# Allegro board MCU-OLD.brd (continued)
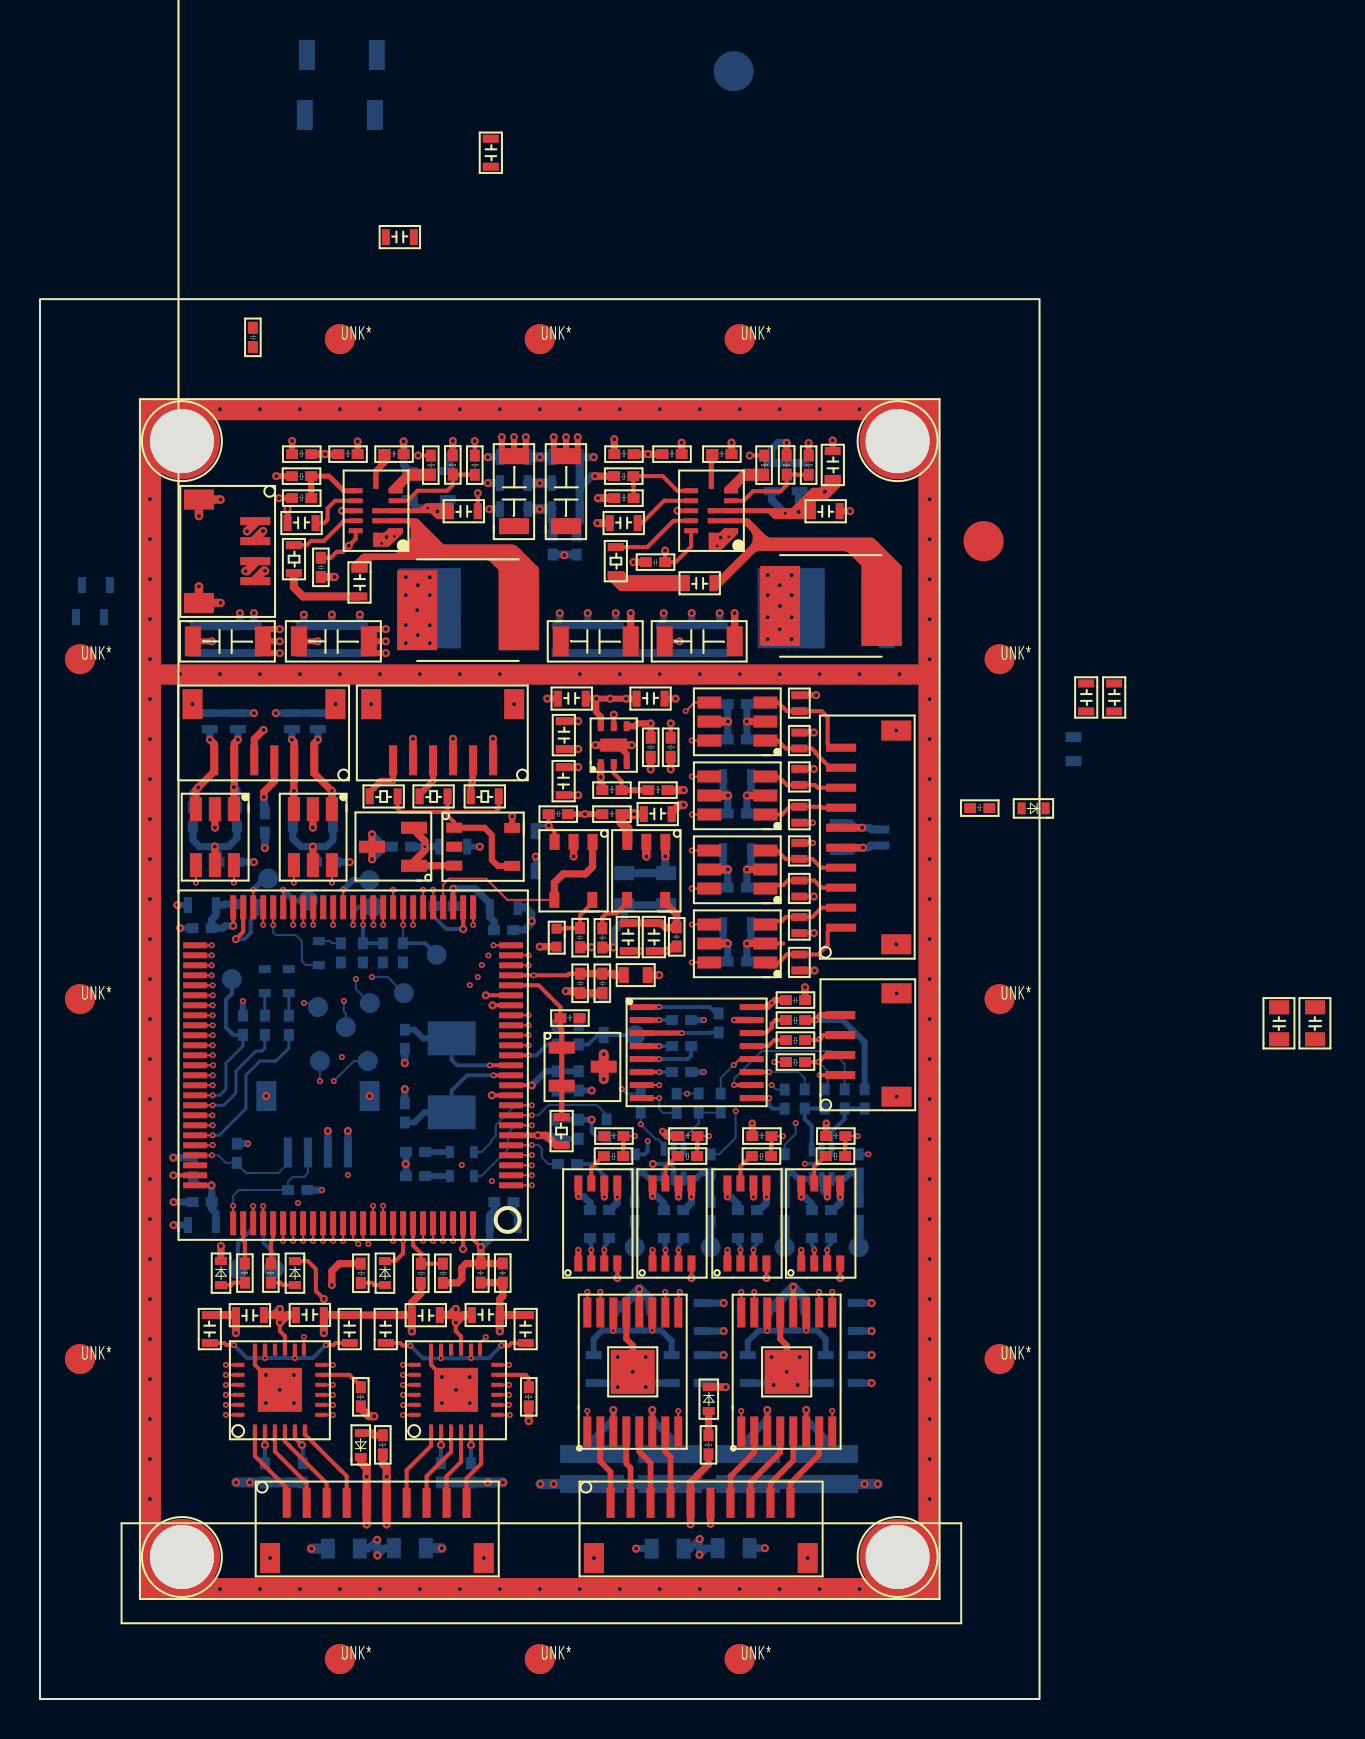
[diagram p0: board, top side]
## Nets (continued)
VMTR: C178.1 C179.1 C180.1 C181.1 C187.1 C188.1 C194.1 C196.1 C642.1 C649.1 J19.5 R327.2 U26.12 U27.12
VREF_2V5: C487.2 R320.2 U19.21 U39.1 U39.2(\REF\)
VSMTR: C174.1 C177.1 C590.1 C592.1 C643.1 C648.1 J18.6 R379.2 U28.15 U48.15
N01539: C166.2 C167.2 U26.11(\VREF\) U26.14
N02684: R170.2 U26.3 U46.4
N02906: R171.2 U26.6 U45.4
N04940: D20.2 R181.2
N07800: R360.1 U45.2
N07815: R360.2 U45.3
N08892: R361.1 U46.2
N08904: R361.2 U46.3
N10404: R339.1 U46.7(\VOUT\)
N11136: R342.1 U45.7(\VOUT\)
N27735: C169.2 C170.2 U27.11(\VREF\) U27.14
N27979: R172.2 U27.3 U44.4
N28117: R173.2 U27.6 U43.4
N28299: R358.1 U43.2
N28303: R358.2 U43.3
N28307: R359.1 U44.2
N28311: R359.2 U44.3
N28637: D21.2 R186.2
N28731: R340.1 U43.7(\VOUT\)
N28759: R341.1 U44.7(\VOUT\)
N30927: R370.1 U48.2
N30933: R373.1 U48.5
N33222: C594.1 C595.1 U48.14(\VREF\) U48.17
N38076: R363.1 U48.11
N39890: D43.2 R374.1
N41862: C185.1 C190.1 U28.14(\VREF\) U28.17
N42130: R178.1 U28.2
N42224: R184.1 U28.5
N42300: R176.1 U28.11
N42416: D19.2 R183.1
N50111: C154.2 D18.1 R154.1 R156.2 U22.3
N52095: C163.1 L20.1 U22.5
N57048: C472.2 R291.2 U37.3 U40.1 U40.2(\REF\)
N57288: R297.1 R298.1 R299.1 U37.1 U37.4
N4905822: C157.2 U21.4
N7119824: C596.1 U47.1
N7119928: C601.1 U47.4
N7119940: C607.1 U47.2
N7119964: C596.2 U47.3
N7119992: C611.1 U47.6
N7120000: C601.2 U47.5
N7120004: R322.2 R324.2 U41.3
N7120715: R322.1 TP53.1(\TP\)
N7120840: R329.1 TP54.1(\TP\)
N7121019: R336.1 TP51.1(\TP\)
N7121024: R330.1 TP52.1(\TP\)
N7132397: R371.1 U47.14
N7132401: R368.1 U47.7
N7132405: R372.1 U47.13
N7132409: R369.1 U47.8
N7132815: R349.2 R350.2 U42.3
N7132819: R334.2 R335.2 U42.1
N7301618: R329.2 R331.2 U42.4
N7301681: R330.2 R332.2 U41.1
N7301693: R336.2 R338.2 U42.6
N7303091: R346.1 U47.11
N7303129: R347.1 U47.10
N7303150: R349.1 U47.12
N7303177: R334.1 U47.9
N7304159: R345.2 R346.2 U41.4
N7304177: R347.2 R348.2 U41.6
N7362382: D41.2 R321.1
N7735309: TP4.1(\TP\) U19.48
N7767499: TP63.1(\TP\) U19.38
N7936310: D15.2 R144.2
N7936621: D14.2 R140.2
N7936920: D17.2 R150.2
N7937230: D16.2 R145.2
N8000304: TP2.1(\TP\) U19.45
N8000357: TP1.1(\TP\) U19.39
N8196940: R58.2 R59.1 U11.4
N8196944: R49.1 R50.2 U11.9
N8196950: C84.2 R57.2 U11.11
N8196956: R57.1 U11.5
N8196998: C69.2 U11.6
N8197004: R86.1 U11.10
N8197008: C88.1 L7.1 U11.2 U11.13
N8197018: C88.2 R86.2
N8197022: C75.2 U11.8
N8197032: R69.2 R75.1 U11.7
N8197074: R87.1 U12.10
N8197078: C89.2 R87.2
N8197098: C89.1 L8.1 U12.2 U12.13
N8197146: R61.2 R62.1 U12.4
N8197148: R51.1 R52.2 U12.9
N8197154: C76.2 U12.8
N8197166: R70.2 R76.1 U12.7
N8197176: C85.2 R60.2 U12.11
N8197182: C70.2 U12.6
N8197194: R60.1 U12.5
N8449814: R317.2 U38.5(\PG\)
N8449940: R315.1 R316.2 U38.2
N8933647: D42.2 R327.1
N8934237: D56.2 R379.1

Pads without a net: U19 41 73; U28 16; U48 16

## Via types
v1: diameter 0.4, hole 0.2, TOP to BOTTOM, 398 vias
v2: diameter 0.3, hole 0.15, TOP to BOTTOM, 233 vias

## Routing (per net, layer and track width the routed paths; a pad name or vN(x,y) marks a point on that pad's centre or on a via; arc(x,y) is an arc through that point)
3V3_MCU: length 78.3
  TOP w0.2: v1(24.6,30.69) U19.11 ; v1(22.05,22.6) 21.66,22.99 U19.100 ; U19.28 v1(20.67,40.52) ; U19.75 v1(8.58,25.69) ; U19.50 v1(9.67,38.66)
  TOP w0.28: U19.6 v1(24.9,28.19)
  TOP w0.3: U37.5 v1(23.62,44.14) ; U47.16 36.4,34.6 v2(36.6,34.8) 36.75,34.95 C591.1
  TOP w0.36: U31.5 v1(8.75,42.63) ; R344.1 20.9,20.81 21.1,21.01 21.1,21.56 21.32,21.78 C479.1 ; U25.5 v1(13.65,42.63) ; J15.3 11.72,45.88 11.2,45.36 v1(11.2,45.11) ; L17.1 v1(30.98,36.2) ; v1(14.6,20.7) 14.6,21.4 14.97,21.77 R374.2 ; v1(24.9,28.19) 25.32,28.19 25.81,27.7 R320.1 ; U21.5 31.27,39.81 31.85,39.23 C162.1 31.83,38.57 31.29,38.57 31.06,38.8 C159.1 C139.1 ; v1(22.05,22.6) C479.1 ; C479.1 C153.1 ; L20.2 v1(25,37.62)
  TOP w0.38: J14.5 v1(41.17,42.57)
  TOP w0.42: U53.5 v1(34.41,41.48) ; U51.5 v1(34.41,48.88) ; U52.5 v1(34.41,37.78) ; U50.5 v1(34.41,45.18)
  BOTTOM w0.2: U42.5 31.7,26.56 31.5,26.76 v1(30.66,26.76) ; U41.5 39.1,26.97 38.9,26.77 v2(38.26,26.77) ; v1(8.58,25.69) 8.02,25.69 7.65,26.06 C573.1
  BOTTOM w0.3: D18.2 v1(24.8,42.13) ; C546.1 20.69,40.12 20.67,40.14 v1(20.67,40.52) ; v1(24.6,30.69) 25.3,31.39 C203.1 C525.1 ; R291.1 v1(22,42.62) ; C532.1 C176.1 25.84,28 25.37,28 25.19,28.19 v1(24.9,28.19) ; R328.2 v2(10.15,34.9)
  BOTTOM w0.36: C460.2 22.73,24.43 22.5,24.2 C189.1 22.5,23 22.1,22.6 v1(22.05,22.6) ; R377.2 12.65,43.02 13.05,42.63 v1(13.65,42.63) ; J20.4 v1(15.4,28.41) ; C647.1 34.17,38.02 v1(34.41,37.78) 34.4,37.77 C603.2 ; C515.2 34.4,48.89 v1(34.41,48.88) 34.4,48.87 C600.2 ; R157.2 v2(14.1,25.45) ; R153.2 v2(10.4,27.77) ; C610.2 34.4,41.47 v1(34.41,41.48) 34.17,41.72 C646.1 ; R189.2 9.85,43.05 9.43,42.63 v1(8.75,42.63) ; C609.2 34.4,45.17 v1(34.41,45.18) 34.17,45.42 C645.1 ; v1(8.75,42.63) 8.75,42.45 8.93,42.27 C606.2 ; v1(8.75,42.63) 7.97,42.63 7.65,42.95 R187.2 ; v1(13.65,42.63) 14.33,42.63 14.65,42.95 R378.2 ; v1(13.65,42.63) 13.65,42.28 13.81,42.12 C553.1 ; v1(8.58,25.69) 8.59,25.68 C136.1 8.59,24.51 8.8,24.3 C137.1 ; v1(9.67,38.66) 9.26,38.66 9.15,38.55 C138.1 8.59,38.97 8.8,39.18 C156.1 9.18,39.7 9.23,39.75 C158.1 ; C168.1 22.71,38.9 22.5,39.11 C161.1 22.5,39.8 21.78,40.52 v1(20.67,40.52) ; R181.1 18.31,26.73 v1(18.29,26.75) 18.31,26.77 R186.1 ; v1(41.17,42.57) 40.77,42.57 40.6,42.4 C644.1
  BOTTOM w0.38: v1(41.17,42.57) 41.44,42.57 41.55,42.68 D24.2
  BOTTOM w0.4: v1(11.2,45.11) 11.2,44.7 11.25,44.65 C539.1
3V3_MCU_A: length 5.7
  TOP w0.2: U19.22 v2(24.7,36.19) 26.39,36.19 26.47,36.27 C141.2
  TOP w0.36: C141.2 C142.2 28.65,36.27 28.72,36.2 L17.2
5V5_MCU_IN: length 6
  TOP w0.3: v1(27.83,50.02) C466.2 ; v1(27.83,50.02) v1(28.52,50.02) v1(29.32,50.02) C130.1 ; v1(27.83,50.02) 27.83,49.35 28.05,49.12 U38.6
  TOP w0.32: U38.4 29.75,48.65 29.89,48.78 v1(30.55,48.78) R308.2
5V5_MCU_PWR: length 13.5
  TOP w0.36: C103.2 v1(29.55,54.3) ; C115.2 v1(34.75,54.3)
  TOP w0.4: R75.2 v1(27.91,60.05) ; C75.1 v1(27.88,58.8)
  BOTTOM w0.36: C436.2 v1(32.6,54.3) ; C435.2 v1(34,54.3) ; C423.2 v1(26,54.3) ; C416.2 v1(27.4,54.3) ; C427.2 v1(28.8,54.3) ; C437.2 v1(31.2,54.3)
  BOTTOM w0.4: C435.2 C436.2 C437.2 ; C427.2 C416.2 C423.2
  vias: v1(36.4,56.2) v1(36.4,55.2) v1(36.4,54.1) v1(36.4,53) v1(37,55.7) v1(37.02,54.66) v1(37,53.5) v1(37.6,56.2) v1(37.6,55.2) v1(37.6,54.1) v1(37.6,53)
5V_MCU: length 17
  TOP w0.32: v1(28.05,46.1) 28.05,45.81 28.13,45.73 R315.2
  TOP w0.36: v1(26.93,47.5) 26.73,47.5 26.72,47.5 C503.2 ; v1(30.55,46.49) 30.55,46.6 30.55,46.6 30.55,47.11 ; U44.8 v2(34.39,25.11) ; U46.8 v2(26.93,25.13) ; U45.8 v2(30.64,25.14) ; U43.8 v2(38.08,25.1) ; C488.2 v1(26.93,46.6) ; 31.55,47.11 v1(31.55,46.49) ; U38.1 v1(28.05,46.1)
  TOP w0.42: U21.1 v1(31.28,42.13) ; C155.1 v1(29.72,44.25)
  TOP w0.5: v1(29.72,44.25) C160.1 29.09,43.82 29.38,43.53 U21.3
  BOTTOM w0.36: v2(26.93,25.13) 27.19,25.13 27.51,24.81 C566.1 ; v2(34.39,25.11) 34.55,25.11 34.91,24.75 C570.1 ; C568.1 38.61,24.74 38.25,25.1 v2(38.08,25.1) ; C572.1 31.21,24.78 30.85,25.14 v2(30.64,25.14)
  BOTTOM w0.42: v1(31.28,42.13) 31.28,41.34 C495.2 C494.2
12V_MTR: length 18.2
  TOP w0.2: 16.45,52.9 C117.2 ; 11.15,52.89 C104.2
  TOP w0.3: C104.2 11.15,52.51 11.36,52.3 v1(12,52.3) ; v1(12,53.5) 11.45,53.5 11.15,53.2 11.15,52.89 11.15,52.89 v1(12,52.89) ; C76.1 v1(12.38,59.51) ; v1(17.3,52.89) 16.46,52.89 16.45,52.9 16.45,53.29 16.66,53.5 v1(17.3,53.5) ; R76.2 v1(11.96,60.05) ; C117.2 16.45,52.5 16.65,52.3 v1(17.3,52.3)
  TOP w0.42: J16.3 10.77,56.82 10.35,56.4 v1(10.28,56.4) ; J16.4 10.77,56 11.19,56.42 v1(11.26,56.42)
  BOTTOM w0.38: C413.2 v1(10.7,54.3) ; C116.2 v1(14.6,54.23) ; C442.2 v1(13.2,54.23) ; 10,53.7 v1(10,54.3) ; C441.2 v1(16,54.23)
  BOTTOM w0.5: C441.2 C116.2 C442.2 ; C413.2 C443.2 C422.2
  vias: v1(18.3,56.1) v1(18.3,55.2) v1(18.3,53.7) v1(18.3,52.8) v1(18.9,55.7) v1(18.87,54.45) v1(18.9,53.2) v1(19.5,56.1) v1(19.5,55.2) v1(19.5,53.7) v1(19.5,52.8)
GND: length 230.4
  TOP w0.2: U28.18 19.56,16.71 v1(20.81,15.46) ; U19.10 v1(22.6,30.19) ; U52.2 37.18,37.78 ; U19.20 v1(22.3,35.19) ; v1(14.2,20) 13.8,20.4 13.8,21.5 13.4,21.9 D16.1 ; D52.1 v1(38.71,40.13) ; U19.74 v1(6.67,26.19) ; U19.19 v1(22.63,34.69) ; v1(38.71,38.3) D50.1 ; U19.49 10.17,38.37 v1(9.8,38) ; U19.27 v1(21.17,38.5) ; v1(12,15.46) 10.75,16.71 U48.18 ; C115.1 v1(31.99,52.89) ; C387.1 v1(21.9,60.3) ; v1(21.16,22.5) U19.99
  TOP w0.3: D48.1 v1(38.83,50.2) ; C130.2 v1(31.8,50.02) ; C160.2 v1(27.26,44.25) C154.1 ; U45.1 v2(30.64,22.46) ; C104.1 v1(8.6,52.89) ; 29.09,47.7 29.1,47.69 29.1,47.49 29.35,47.24 U38.3 ; v1(37.35,16.36) 37.35,17.69 37.03,18.01 U27.13 ; C466.1 v1(25.37,50.02) ; C488.1 v1(26.93,45.2) ; C70.1 v1(18.19,62.89) ; R61.1 v1(20.65,62.91) ; C117.1 v1(13.89,52.89) ; D44.1 v2(38.66,43.82) ; R70.1 v1(11.82,61.15) ; U26.13 29.33,18.01 29.65,17.69 v1(29.65,16.36) ; v1(38.71,48.33) D47.1 ; v1(38.71,46.51) D45.1 ; D53.1 v2(38.66,42.81) ; R52.1 v1(15.89,62.88) ; U44.1 v2(34.39,22.46) ; U43.1 v2(38.08,22.46) ; U46.1 v2(26.93,22.46)
  TOP w0.32: C365.1 v1(39.66,62.94) ; U47.15 v2(34.72,33.95) ; C366.1 v1(40.53,59.4)
  TOP w0.36: C142.1 C141.1 26.79,35.31 26.7,35.4 v1(26.3,35.4) ; C479.2 C153.2 23.15,20.15 23,20 C177.2 ; C157.1 v1(28.68,37.58) ; v1(35.36,37.78) U52.2 ; U51.2 v1(35.36,48.88) ; C84.1 v1(29.68,56.85) ; U43.6 v2(39.38,25.1) ; C162.2 31.63,37.63 31.4,37.4 v2(31.3,37.4) C159.2 ; v1(16.61,43.24) U40.3 v1(16.61,41.99) ; J7.3 v1(20.66,48.02) ; U45.6 v2(31.94,25.1) ; v2(31.14,28.39) 31.38,28.15 C574.2 ; C503.1 v1(26.93,48.9) ; U43.5 v2(40.03,25.1) ; R58.1 v1(37.35,62.82) ; C163.2 v1(27.58,37.59) ; v1(29.61,47.7) U38.7 v1(27.78,47.7) ; U25.2 v1(13.65,43.57) ; U46.6 v2(28.23,25.1) ; J7.5 v1(18.66,48.02) ; C185.2 C594.2 ; U46.5 v2(28.88,25.1) ; J19.6 v1(33.54,8.76) ; R343.1 19.05,20.28 18.6,19.83 C174.2 ; C571.2 v2(35.63,28.8) ; R69.1 v1(27.76,61.15) ; U44.6 v2(35.69,25.1) ; C139.2 v2(30.02,37.4) ; U31.2 v1(8.75,43.57) ; U50.2 v1(35.36,45.18) ; C69.1 v1(34.59,62.83) ; J15.4 10.72,48 v1(11.18,48.46) ; U22.2 v1(26.69,42.13) ; D17.1 v1(9.05,22.65) ; D42.1 v1(34.3,15.6) ; J7.1 v1(22.66,48.02) ; D49.1 v1(38.75,36.43) ; U45.5 v2(32.59,25.11) ; U53.2 v1(35.36,41.48) ; C569.2 v2(39.33,28.8) ; R50.1 v1(32.1,62.83) ; C591.2 v1(38.27,35.59) ; U44.5 v2(36.34,25.1)
  TOP w0.38: J14.6 v1(41.13,43.57)
  TOP w0.4: v1(18.6,18.38) C174.2 C185.2 ; C155.2 31.6,44.32 32,44.72 v1(32.2,44.72) ; C595.2 C590.2 v1(9.8,18.3) ; R176.2 v1(24.45,13.9) ; v1(16.72,14.14) 16.45,14.14 16.05,14.54 R363.2 ; C190.2 C177.2 v1(23,18.38) ; v1(16.34,8.73) J18.5 v1(16.34,11.12) 16.34,11.55 16.05,11.84 D56.1 ; R316.1 v1(32.2,45.45) ; C594.2 C592.2 v1(14.2,18.3) ; C85.1 v1(14.74,56.11)
  TOP w0.42: v1(9.03,59.98) J16.M1 v1(7.95,59.15) ; J16.2 10.77,58.02 v1(11.16,58.41) ; J16.1 10.77,58.81 v1(10.35,58.39) ; U21.2 v1(30.33,42.13) ; v1(9.03,54.81) J16.M2 v1(7.95,55.64)
  TOP w0.5: v1(28.2,32.25) U39.3 v1(28.2,30.99)
  BOTTOM w0.2: v1(21.17,38.5) 20.32,38.5 19.73,39.09 C546.2 ; U42.2 31.7,28.24 31.54,28.4 31.15,28.4 v2(31.14,28.39) ; v2(28.23,25.1) 28.23,26.17 27.65,26.75 R180.2 ; C158.2 10.87,39.27 10.54,38.94 10.54,38.31 10.23,38 v1(9.8,38) ; U41.2 39.1,25.38 v2(39.38,25.1) ; R182.2 27.92,28.03 27.6,28.35 v1(27.6,28.97)
  BOTTOM w0.3: v1(27.6,28.97) C532.2 C176.2 ; C138.2 v1(7,38.55) ; C156.2 v1(6.87,39.7) ; C203.2 C525.2 v1(27.6,30.43)
  BOTTOM w0.32: C607.2 v2(33.2,33.95) ; C611.2 v2(33.2,31.35)
  BOTTOM w0.36: C189.2 23.9,24.2 23.69,24.41 C460.1 ; C568.2 39.67,24.45 40.03,24.81 v2(40.03,25.1) ; C600.1 35.36,48.88 v1(35.36,48.88) 35.36,48.88 C515.1 ; v1(16.61,41.99) 17.24,42.62 ; 17.24,42.62 17.23,42.62 v1(16.61,43.24) ; 17.24,42.62 C472.1 ; v1(41.13,43.57) 40.8,43.57 40.57,43.8 C644.2 ; C513.1 v1(18.25,31.8) ; v1(34.3,15.6) 33.92,15.6 33.72,15.8 C187.2 ; C527.1 v1(18.25,30.5) ; C603.1 35.36,37.78 v1(35.36,37.78) 35.57,37.99 C647.2 ; C610.1 35.36,41.48 v1(35.36,41.48) 35.57,41.69 C646.2 ; C553.2 v1(15.5,41.85) ; C642.2 v1(29.82,7.52) ; C572.2 32.23,24.45 32.59,24.81 v2(32.59,25.11) ; C166.1 30.21,15.8 v1(29.65,16.36) 29.09,15.8 C167.1 ; C188.2 v1(41.6,15.8) ; C170.1 37.91,15.8 v1(37.35,16.36) 36.79,15.8 C169.1 ; D40.1 27.01,35.2 26.81,35.4 v1(26.3,35.4) ; v1(10.7,49.3) D25.1 D22.1 ; D55.1 D54.1 v1(11.79,49.3) ; C181.2 v1(41.6,18.4) ; C573.2 v1(6.67,27.07) ; C606.1 v1(10.7,41.85) ; C649.2 v1(36.26,7.54) ; C566.2 28.52,24.45 28.88,24.81 v2(28.88,25.1) ; J20.3 v1(14.4,28.41) ; C137.2 v1(6.68,23.7) ; C609.1 35.36,45.18 v1(35.36,45.18) 35.57,45.39 C645.2 ; C570.2 35.98,24.45 36.34,24.81 v2(36.34,25.1) ; C136.2 v1(6.68,24.85) ; C178.2 v1(34.2,18.4) ; C168.2 24.24,38.45 24.6,38.81 v1(24.6,38.9) 24.6,39.28 24.28,39.6 C161.2
  BOTTOM w0.38: C386.1 20.4,62.14 20.65,62.39 v1(20.65,62.91) ; v1(28.68,37.58) 28.68,38.38 29.22,38.92 C494.1 C495.1 ; v1(18.19,62.89) 18.19,61.71 C79.2 ; v1(41.13,43.57) 41.49,43.57 41.58,43.48 D24.1 ; C385.1 C364.1 36.6,62.49 36.92,62.82 v1(37.35,62.82)
  BOTTOM w0.4: C422.1 C443.1 C413.1 ; C423.1 C416.1 C427.1 C437.1 C436.1 C435.1 ; C373.1 C375.1 27,58.87 26.85,58.72 R154.2 ; C373.1 27.23,60.8 27.58,61.15 v1(27.76,61.15) ; C373.1 C374.1 v1(27.7,62.1) ; C372.1 v1(22.47,59.5) ; C539.2 v1(11.25,42.55) ; C441.1 C116.1 C442.1 ; C370.1 v1(22.4,60.8) ; C371.1 v1(22.4,62.1)
  BOTTOM w0.5: v1(23.16,10.83) v1(22.4,10.83) R184.2 R178.2 ; C648.2 v1(20.1,7.54) ; v1(25.03,10.75) v1(25.69,10.75) R170.1 R171.1 R172.1 R173.1 v1(41.25,10.75) v1(41.91,10.75) ; v1(9.81,10.83) v1(10.5,10.83) R370.2 R373.2 ; C643.2 v1(13.58,7.52)
  vias: v1(5.5,60) v1(5.5,58) v1(5.5,56) v1(5.5,54) v1(5.5,52) v1(5.5,50) v1(5.5,48) v1(5.5,46) v1(5.5,44) v1(5.5,42) v1(5.5,40) v1(5.5,38) v1(5.5,36) v1(5.5,34) v1(5.5,32) v1(5.5,30) v1(5.5,28) v1(5.5,26) v1(5.5,24) v1(5.5,22) v1(5.5,20) v1(5.5,18) v1(5.5,16) v1(5.5,14) v1(5.5,12) v1(5.5,10) v1(7,51.25) v1(7.63,49.75) v1(9,64.5) v1(9,51.25) v1(9,5.5) v1(11,64.5) v1(11,51.25) v1(11,5.5) v1(11.32,30.15) v1(11.3,16.2) v1(11.3,14.8) v1(11.51,7.05) v1(12.7,16.2) v1(12.7,14.8) v1(13,64.5) v1(13,51.25) v1(13,5.5) v1(14.78,49.75) v1(15,64.5) v1(15,51.25) v1(15,5.5) v1(16.49,30.15) v1(16.57,49.75) v1(17,64.5) v1(17,51.25) v1(17,5.5) v1(17.33,58.1) v1(19,64.5) v1(19,51.25) v1(19,5.5) v1(20.1,16.1) v1(20.1,14.8) v1(21,64.5) v1(21,51.25) v1(21,5.5) v1(21.5,16.1) v1(21.5,14.8) v1(22.2,7.05) v1(23,64.5) v1(23,51.25) v1(23,5.5) v1(23.72,49.75) v1(25,64.5) v1(25,5.5) v1(27,64.5) v1(27,51.25) v1(27,5.5) v1(27.71,7.05) v1(28.9,17.1) v1(28.9,15.6) v1(29,64.5) v1(29,51.25) v1(29,5.5) v1(30.3,17.1) v1(30.3,15.6) v1(31,64.5) v1(31,51.25) v1(31,5.5) v1(33,64.5) v1(33,51.25) v1(33,5.5) v1(34.05,58.07) v1(35,64.5) v1(35,51.25) v1(35,5.5) v1(36.6,17.1) v1(36.7,15.7) v1(37,64.5) v1(37,51.25) v1(37,5.5) v1(37.9,15.7) v1(38,17.1) v1(38.4,7.05) v1(39,64.5) v1(39,51.25) v1(39,5.5) v1(41,64.5) v1(41,51.25) v1(41,5.5) v1(42.83,48.43) v1(42.83,37.74) v1(42.85,35.29) v1(42.85,30.12) v1(43,51.25) v1(44.5,60) v1(44.5,58) v1(44.5,56) v1(44.5,54) v1(44.5,52) v1(44.5,50) v1(44.5,48) v1(44.5,46) v1(44.5,44) v1(44.5,42) v1(44.5,40) v1(44.5,38) v1(44.5,36) v1(44.5,34) v1(44.5,32) v1(44.5,30) v1(44.5,28) v1(44.5,26) v1(44.5,24) v1(44.5,22) v1(44.5,20) v1(44.5,18) v1(44.5,16) v1(44.5,14) v1(44.5,12) v1(44.5,10) v2(17.09,57.78) v2(17.73,58.13) v2(33.88,57.66) v2(34.46,58.11)
VBAT_ADC: length 11.6
  TOP w0.1: U22.4 23.38,39.96 22.32,41.02 20.46,41.02 20.17,40.73 U19.29
  TOP w0.36: U22.1 27.64,41.62 27.28,41.26 26.17,41.26 25.73,40.82 U22.4
VBAT_IN: length 19.7
  TOP w0.2: R62.2 v1(21.75,62.9)
  TOP w0.3: v1(25.7,63.1) 25.7,62.4 25.95,62.15 C61.2 ; C61.2 v1(26.31,63.1) ; C61.2 26.65,62.15 26.9,62.4 v1(26.9,63.1) ; R51.2 v1(12.61,62.91) ; v1(24.3,63.1) 24.3,62.45 24,62.15 C63.2 ; v1(23.1,63.1) 23.1,62.35 23.3,62.15 C63.2 ; C63.2 v1(23.71,63.1)
  TOP w0.32: R59.2 v1(38.45,62.81)
  TOP w0.36: R49.2 v1(28.73,63)
  BOTTOM w0.38: C79.1 18.5,59.93 18.88,59.55 v2(19.39,59.55) ; C386.2 20.4,59.77 20.02,59.39 v1(19.88,59.39) ; C364.2 36.6,59.97 v2(37.28,59.28) ; v1(37.95,59.36) 37.95,60.35 C385.2
  BOTTOM w0.4: R156.1 25.65,58.82 25.6,58.87 C375.2
  BOTTOM w0.5: C371.2 v1(25,62.1) C374.2 ; C373.2 v1(25,60.8) C370.2 ; C372.2 v1(25,59.5) C375.2
  vias: v1(39.26,60.37)
232_TXD: length 3.7
  TOP w0.2: R368.2 v2(38.95,31.85) 39.3,32.2 J21.2
  BOTTOM w0.1: v2(38.95,31.85) 39.4,31.4 39.4,30.7 39.25,30.55 R345.1 39.25,30.29
BOOT0: length 3.3
  TOP w0.2: R344.2 R343.2 19.05,22.3 18.66,22.68 U19.94
BOOT1: length 2.8
  TOP w0.1: U19.37 v2(16.17,38.71)
  BOTTOM w0.2: R135.1 R134.1 16.15,38.32 16.17,38.34 v2(16.17,38.71)
ENC1_A: length 4.1
  TOP w0.2: J14.2 39.1,39.57 38.63,39.1 D50.2 37.3,39.1 37.1,38.9 36.45,38.9 U52.3
ENC1_A_BUF: length 11.3
  TOP w0.1: v2(32.61,38.73) U52.4 ; U19.24 v2(24.44,37.19)
  SIGNAL-L7 w0.1: v2(24.44,37.19) 27.15,37.19 27.34,37 31.6,37 31.9,37.3 31.9,38.35 32.28,38.73 v2(32.61,38.73)
ENC1_B: length 5.1
  TOP w0.2: J14.1 39.6,38.57 39.4,38.37 39.4,37.7 38.93,37.23 D49.2 37.36,37.23 36.76,36.63 36.48,36.63 U52.1
ENC1_B_BUF: length 10
  TOP w0.1: v2(32.61,36.83) U52.6 ; U19.23 v2(24.44,36.69)
  SIGNAL-L7 w0.1: v2(32.61,36.83) 31.93,36.83 31.79,36.69 v2(24.44,36.69)
ENC2_A: length 4.1
  TOP w0.2: J14.4 39.07,41.57 38.63,42.01 D53.2 37.29,42.01 36.87,42.43 U53.3
ENC2_A_BUF: length 31.8
  TOP w0.1: U19.90 v2(16.66,24.66) ; U53.4 v2(32.61,42.43)
  SIGNAL-L3 w0.1: v2(22.43,37.18) 19.44,37.18 16.3,34.04 16.3,30.53 16.09,30.32 16.09,29.98 16.3,29.77 16.3,29.5 16.66,29.14 v2(16.66,24.66)
  SIGNAL-L7 w0.1: v2(22.43,37.18) 22.97,37.18 24.19,38.4 29.58,38.4 32.2,41.02 32.2,42.02 v2(32.61,42.43)
ENC2_B: length 4.1
  TOP w0.2: U53.1 36.45,40.7 37.18,40.7 37.41,40.93 D52.2 38.74,40.93 39.1,40.57 J14.3
ENC2_B_BUF: length 29.7
  TOP w0.1: U53.6 v2(32.6,40.53) ; U19.91 v2(17.16,24.66)
  SIGNAL-L3 w0.1: v2(17.16,24.66) 17.16,29.44 16.89,29.71 16.89,30.32 16.7,30.51 16.7,33.59 19.81,36.7 v2(22.1,36.7)
  SIGNAL-L7 w0.1: v2(32.6,40.53) 30.1,38.03 24.46,38.03 23.13,36.7 v2(22.1,36.7)
ENC3_A: length 4
  TOP w0.2: J14.8 38.9,45.57 38.76,45.71 D45.2 37.36,45.71 37.11,45.96 37.06,45.96 36.89,46.13 U50.3
ENC3_A_BUF: length 31.7
  TOP w0.1: U50.4 v2(32.61,46.13) ; U19.59 v2(8.64,33.69)
  SIGNAL-L7 w0.1: v2(32.61,46.13) 32.23,46.13 29.34,43.24 29.34,41.76 27.38,39.8 23.59,39.8 17.48,33.69 v2(8.64,33.69)
ENC3_B: length 4
  TOP w0.2: U50.1 37.11,44.23 37.5,44.62 D44.2 39.05,44.62 39.1,44.57 J14.7
ENC3_B_BUF: length 31.1
  TOP w0.1: U19.60 v2(8.64,33.19) ; U50.6 v2(32.61,44.23)
  SIGNAL-L7 w0.1: v2(32.61,44.23) 30.95,44.23 29.84,43.12 29.84,41.68 27.55,39.4 23.74,39.4 17.53,33.19 v2(8.64,33.19)
ENC4_A: length 5.5
  TOP w0.2: J14.10 39.6,47.57 39.4,47.77 39.4,49.1 39.1,49.4 D48.2 37.36,49.4 36.93,49.83 U51.3
ENC4_A_BUF: length 27.3
  TOP w0.1: U19.40 v2(14.67,38.71) ; v2(32.3,49.4) 32.73,49.83 U51.4
  SIGNAL-L7 w0.1: v2(32.3,49.4) 32.3,48.53 31.79,48.02 30.85,48.02 29.56,46.73 29.56,45.9 28.19,44.54 28.19,41.9 27.09,40.8 22,40.8 19.4,38.2 15.7,38.2 15.53,38.37 15.45,38.37 15.26,38.56 15.26,38.64 15.19,38.71 v2(14.67,38.71)
ENC4_B: length 4.4
  TOP w0.2: U51.1 36.9,47.93 37.3,47.53 D47.2 38.61,47.53 38.8,47.34 38.8,47.29 39.52,46.57 J14.9
ENC4_B_BUF: length 27.3
  TOP w0.1: U19.42 v2(13.67,38.71) ; U51.6 v2(32.6,47.93)
  SIGNAL-L7 w0.1: v2(32.6,47.93) 32.31,47.64 31.01,47.64 29.92,46.55 29.92,45.76 28.65,44.49 28.65,41.82 27.33,40.5 22.2,40.5 19.5,37.8 15.6,37.8 15.1,38.3 14.08,38.3 v2(13.67,38.71)
LASER_TXD: length 15.9
  TOP w0.2: R372.2 38.95,32.95 v2(39,33) 39.2,33.2 J21.3
  SIGNAL-L3 w0.1: v2(29.1,30.5) 29.1,32.7 29.7,33.3 31.2,33.3 31.7,32.8 32.9,32.8 33.5,33.4 38.6,33.4 v2(39,33)
  BOTTOM w0.1: v2(29.1,30.5) 29.32,30.28 R335.1
LIMIT_SW1: length 9.1
  TOP w0.1: U19.57 v2(8.64,34.69) ; U31.4 v2(7.8,40.82)
  SIGNAL-L3 w0.1: v2(7.8,40.82) 8.5,40.12 8.5,38.2 8.69,38.02 8.72,38.02 8.91,37.82 8.91,37.78 9.43,37.27 9.43,35.15 8.96,34.69 v2(8.64,34.69)
LIMIT_SW2: length 9.7
  TOP w0.1: U19.58 v2(8.64,34.19) ; U31.6 v2(9.7,40.82)
  SIGNAL-L3 w0.1: v2(8.64,34.19) 8.99,34.19 9.7,34.9 9.7,37.5 8.9,38.3 8.9,40.02 v2(9.7,40.82)
LIMIT_SW3: length 12.9
  TOP w0.1: U19.61 v2(8.64,32.69) ; v2(12.7,40.82) 12.7,41.01 12.7,41.02 U25.4
  SIGNAL-L3 w0.1: v2(8.64,32.69) 8.96,32.69 10.7,34.42 10.7,35.3 10.3,35.7 10.3,39.2 11.01,39.91 12.42,39.91 12.7,40.19 v2(12.7,40.82)
LIMIT_SW4: length 15
  TOP w0.1: U25.6 v2(14.6,40.82) ; U19.62 8.64,32.19 v2(8.64,32.19)
  SIGNAL-L3 w0.1: v2(8.64,32.19) 8.99,32.19 11,34.2 11,35.5 10.63,35.87 10.63,38.86 11.27,39.5 14.05,39.5 14.6,40.05 v2(14.6,40.82)
LSW1: length 5.6
  TOP w0.36: U31.3 7.8,45.47 v1(7.92,45.59) 8.72,46.39 J15.6 8.72,47.75 v1(8.5,47.97)
  BOTTOM w0.36: R187.1 7.65,45.32 v1(7.92,45.59) ; v1(8.5,47.97) D22.2
LSW2: length 5.2
  TOP w0.36: v1(9.9,47.97) 9.72,47.79 J15.5 9.72,45.62 v1(9.7,45.6) U31.1
  BOTTOM w0.36: v1(9.7,45.6) 9.85,45.45 R189.1 ; v1(9.9,47.97) D25.2
LSW3: length 4.9
  TOP w0.36: U25.3 v1(12.7,45.4) 12.7,45.86 12.72,45.88 J15.2 12.72,47.85 v1(12.6,47.97)
  BOTTOM w0.36: v1(12.7,45.4) 12.65,45.35 R377.1 ; v1(12.6,47.97) D54.2
LSW4: length 5.3
  TOP w0.36: v1(13.9,47.97) 13.71,47.79 13.71,46.95 J15.1 13.72,46.29 v1(14.6,45.41) U25.1
  BOTTOM w0.36: v1(14.6,45.41) 14.65,45.36 R378.1 ; v1(13.9,47.97) D55.2
M1_DRV+: length 3.8
  TOP w0.28: J19.1 28.54,11.36 28.03,11.87 U26.2
M1_DRV-: length 3.7
  TOP w0.28: U26.4 29.33,11.77 29.54,11.56 J19.2
M1_I_ADC: length 13.6
  TOP w0.1: v2(29.77,28.15) C567.1 ; U19.18 v2(24.44,34.19)
  TOP w0.2: C567.1 29.19,27.67 29.17,27.65 R339.2
  SIGNAL-L7 w0.1: v2(29.77,28.15) 29.77,27.82 29.54,27.6 27.9,27.6 27,28.5 27,33 25.81,34.19 v2(24.44,34.19)
M1_PWM+: length 30.3
  TOP w0.1: v2(31.28,20.36) U26.10 ; v2(8.64,31.19) U19.64
  SIGNAL-L7 w0.1: v2(31.28,20.36) 31.28,20.68 28.66,23.3 23,23.3 20,26.3 20,27.6 16,31.6 10.6,31.6 10.19,31.19 v2(8.64,31.19)
M1_PWM-: length 30.6
  TOP w0.1: v2(32,20.36) 32,20.2 31.93,20.13 U26.9 ; v2(17.17,38.71) U19.35
  SIGNAL-L8 w0.1: v2(32,20.36) 32,20.8 31.2,21.6 27.06,21.6 24.11,24.55 21.15,24.55 19.2,26.5 19.2,34.8 17.8,36.2 17.8,38.08 v2(17.17,38.71)
M2_DRV+: length 3.7
  TOP w0.28: U26.7 31.28,12.36 31.54,12.1 J19.4
M2_DRV-: length 3.8
  TOP w0.28: U26.5 29.98,12.36 30.54,11.8 J19.3
M2_I_ADC: length 17.4
  TOP w0.1: U19.17 v2(24.44,33.69) ; v2(33.47,28.15) C574.1
  TOP w0.2: R342.2 32.87,27.65 32.89,27.67 C574.1
  SIGNAL-L7 w0.1: v2(24.44,33.69) 25.51,33.69 26.5,32.7 26.5,28.2 27.5,27.2 30.1,27.2 30.3,27.4 33.04,27.4 33.47,27.82 v2(33.47,28.15)
M2_PWM+: length 29.9
  TOP w0.1: v2(8.64,30.69) 7.76,30.69 U19.65 ; U26.16 v2(27.38,20.36)
  SIGNAL-L7 w0.1: v2(27.38,20.36) 25.84,21.9 19.1,21.9 18.7,22.3 18.7,23.4 17.9,24.2 17.9,25 17.5,25.4 15.5,25.4 14.95,25.95 14.95,26.95 16.53,28.53 16.53,28.67 15.7,29.5 14,29.5 12.81,30.69 v2(8.64,30.69)
M2_PWM-: length 30.7
  TOP w0.1: U26.15 v2(28.03,20.36) ; U19.36 16.68,39.58 v2(16.68,38.71)
  SIGNAL-L3 w0.1: v2(15.4,26.2) 15.4,27.71 15.02,28.08 15.02,28.57 15.5,29.04 15.5,32.5 15.4,32.6 15.4,34.64 15.53,34.76 15.53,35.04 15.4,35.16 15.4,36.4 16.68,37.68 v2(16.68,38.71)
  SIGNAL-L7 w0.1: v2(28.03,20.36) 28.03,20.68 26.31,22.4 23.2,22.4 21.8,23.8 20.6,23.8 18.2,26.2 v2(15.4,26.2)
M3_DRV+: length 4.1
  TOP w0.28: U27.2 35.73,12.33 34.54,11.14 J19.7
M3_DRV-: length 4.2
  TOP w0.28: J19.8 35.54,10.84 37.03,12.33 U27.4
M3_I_ADC: length 22.3
  TOP w0.1: v2(24.44,33.2) 24.3,33.2 24.29,33.19 U19.16 ; v2(37.17,28.15) C571.1
  TOP w0.2: C571.1 36.59,27.67 36.57,27.65 R341.2
  SIGNAL-L7 w0.1: v2(24.44,33.2) 25.2,33.2 26,32.4 26,27.6 27.5,26.1 36,26.1 37.17,27.27 v2(37.17,28.15)
M3_PWM+: length 39
  TOP w0.1: U27.16 v2(35.08,20.36) ; U19.44 v2(12.67,38.71)
  SIGNAL-L8 w0.1: v2(35.08,20.36) 34.75,20.36 34.61,20.5 34,20.5 33,19.5 26.1,19.5 25,20.6 25,22.5 23.7,23.8 19.5,23.8 18.1,25.2 18.1,26.41 17.91,26.59 17.91,26.91 18.1,27.09 18.1,29.93 17.85,30.18 17.85,30.81 18.1,31.06 18.1,31.2 12.67,36.63 v2(12.67,38.71)
M3_PWM-: length 40
  TOP w0.1: U19.43 13.17,39.59 v2(13.17,38.71) ; v2(35.73,20.36) U27.15
  SIGNAL-L8 w0.1: v2(35.73,20.36) 35.5,20.59 35.5,20.7 35.3,20.9 33.7,20.9 32.9,20.1 32.36,20.1 32.14,19.87 31.86,19.87 31.76,19.97 30.77,19.97 30.6,19.8 26.8,19.8 26,20.6 26,22.34 24.14,24.2 19.8,24.2 18.6,25.4 18.6,26.5 18.69,26.58 18.69,26.9 18.6,26.98 18.6,30.13 18.65,30.18 18.65,30.81 18.6,30.86 18.6,31.48 18.79,31.67 18.79,32.44 18.25,32.98 16.92,32.98 15.33,34.57 15.06,34.57 14.87,34.76 14.87,35.03 13.17,36.73 v2(13.17,38.71)
M4_DRV+: length 4.2
  TOP w0.28: U27.7 38.98,12.23 37.54,10.79 J19.10
M4_DRV-: length 4
  TOP w0.28: U27.5 37.68,11.93 36.54,10.79 J19.9
M4_I_ADC: length 26.3
  TOP w0.1: v2(40.9,28.15) C569.1 ; U19.15 v2(24.44,32.69)
  TOP w0.2: R340.2 40.27,27.65 40.29,27.67 C569.1
  SIGNAL-L7 w0.1: v2(40.9,28.15) 40.9,27 39.7,25.8 27,25.8 25.5,27.3 25.5,32.2 25.01,32.69 v2(24.44,32.69)
M4_PWM+: length 44.6
  TOP w0.1: U27.9 v2(39.63,20.36) ; U19.63 v2(8.66,31.69)
  SIGNAL-L7 w0.1: v2(15.1,32.1) 10.2,32.1 9.79,31.69 v2(8.66,31.69)
  SIGNAL-L8 w0.1: v2(15.1,32.1) 15.7,32.1 16.9,30.9 16.9,26 16.1,25.2 16.1,24.5 17.2,23.4 17.2,22.2 17.7,21.7 21.8,21.7 24.5,19 38.2,19 39.33,20.13 39.4,20.13 v2(39.63,20.36)